# KiCad board STM32.kicad_pcb (continued)
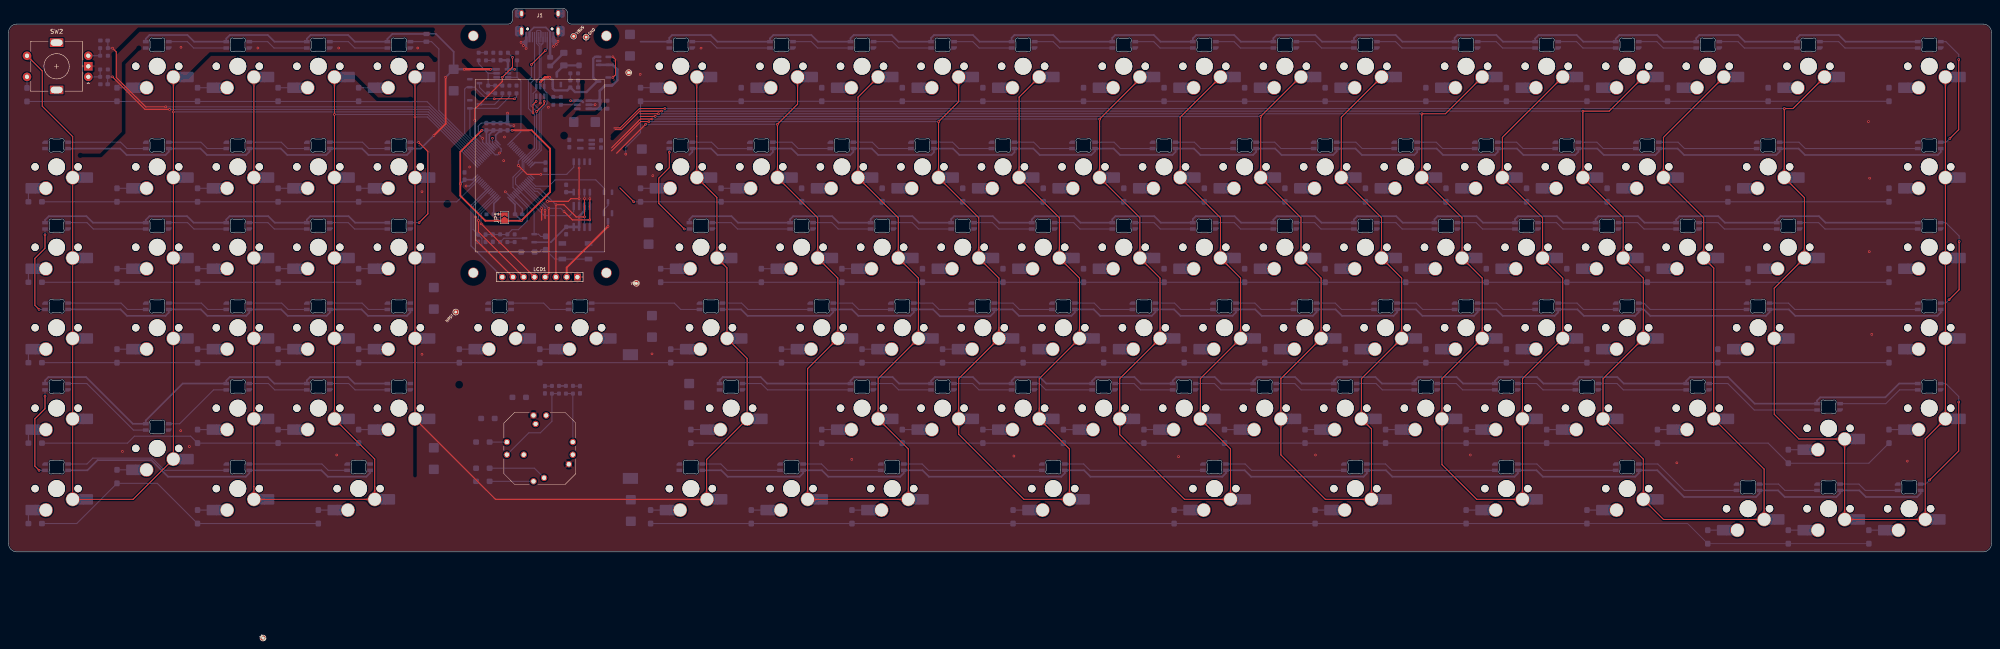
[diagram p0: board, top side]
## Placement (name value [footprint] x y rotation side) (continued)
R3  68k  [R_0603_1608Metric_Pad0.98x0.95mm_HandSolder]  119.72 74.29 90 bottom
R4  9.1k  [R_0603_1608Metric_Pad0.98x0.95mm_HandSolder]  140.75 106.85 0 bottom
R5  9.1k  [R_0603_1608Metric_Pad0.98x0.95mm_HandSolder]  130.65 106.81 90 bottom
R6  9.1k  [R_0603_1608Metric_Pad0.98x0.95mm_HandSolder]  128.85 106.81 270 bottom
R7  9.1k  [R_0603_1608Metric_Pad0.98x0.95mm_HandSolder]  130.2 38.39 90 bottom
R8  9.1k  [R_0603_1608Metric_Pad0.98x0.95mm_HandSolder]  128.54 38.39 270 bottom
R9  68k  [R_0603_1608Metric_Pad0.98x0.95mm_HandSolder]  133.8 110 0 bottom
R10  9.1k  [R_0603_1608Metric_Pad0.98x0.95mm_HandSolder]  131.85 38.4 90 bottom
R11  9.1k  [R_0603_1608Metric_Pad0.98x0.95mm_HandSolder]  133.51 38.4 90 bottom
R12  9.1k  [R_0603_1608Metric_Pad0.98x0.95mm_HandSolder]  22.6 114.25 0 bottom
R13  9.1k  [R_0603_1608Metric_Pad0.98x0.95mm_HandSolder]  22.6 112.5 180 bottom
R14  9.1k  [R_0603_1608Metric_Pad0.98x0.95mm_HandSolder]  22.6 117.5 0 bottom
R15  68k  [R_0603_1608Metric_Pad0.98x0.95mm_HandSolder]  133.8 111.65 180 bottom
R16  9.1k  [R_0603_1608Metric_Pad0.98x0.95mm_HandSolder]  22.6 119.3 0 bottom
R17  68k  [R_0603_1608Metric_Pad0.98x0.95mm_HandSolder]  133.8 113.32 0 bottom
R18  9.1k  [R_0603_1608Metric_Pad0.98x0.95mm_HandSolder]  118.13 117.3 90 bottom
R19  9.1k  [R_0603_1608Metric_Pad0.98x0.95mm_HandSolder]  120.3 117.3 90 bottom
R20  68k  [R_0603_1608Metric_Pad0.98x0.95mm_HandSolder]  111.21 117.3 90 bottom
R21  68k  [R_0603_1608Metric_Pad0.98x0.95mm_HandSolder]  112.94 117.3 90 bottom
R22  68k  [R_0603_1608Metric_Pad0.98x0.95mm_HandSolder]  114.67 117.3 90 bottom
R23  68k  [R_0603_1608Metric_Pad0.98x0.95mm_HandSolder]  116.81 109.51 270 bottom
R24  68k  [R_0603_1608Metric_Pad0.98x0.95mm_HandSolder]  115.13 109.51 270 bottom
R25  68k  [R_0603_1608Metric_Pad0.98x0.95mm_HandSolder]  113.46 109.51 270 bottom
R26  9.1k  [R_0603_1608Metric_Pad0.98x0.95mm_HandSolder]  118.48 109.51 90 bottom
R27  9.1k  [R_0603_1608Metric_Pad0.98x0.95mm_HandSolder]  120.16 109.51 90 bottom
R28  9.1k  [R_0805_2012Metric]  98.84 121.74 270 bottom
RESET1  DFU  [SW_SPST_SKQG_WithStem]  134.1 71.2 180 bottom
SW1  -  [RKJXT1F42001]  125.68 24.51 0 top
SW2  RotaryEncoder_Switch  [RotaryEncoder_Alps_EC11E-Switch_Vertical_H20mm_Centred]  11.38 115 180 top
TP1  VBUS  [TestPoint]  133.68 122.1 45 top
TP2  5V  [TestPoint]  146.7 113.5 0 top
TP3  3V3  [TestPoint]  60.2 -20.4 315 top
TP4  GND  [TestPoint]  136.62 121.9 45 top
TP5  NRST  [TestPoint]  105.8 56.8 225 top
TP6  VBAT  [TestPoint]  148.5 63.6 0 top
U1  AZC199-04S  [SOT-23-6]  125.77 109.05 90 bottom
U2  W25Q32JVSSIQ  [SOIC-8_5.23x5.23mm_P1.27mm]  135.6 88.8 270 bottom
U3  LMV321  [SOT-23-5]  140.72 116.29 0 bottom
U4  MB85RS64  [SOIC-8_3.9x4.9mm_P1.27mm]  135.6 79.42 270 bottom
U5  AP2127K-3.3  [SOT-23-5_HandSoldering]  136.6 96.55 180 bottom
U6  STM32G474RETx  [LQFP-64_10x10mm_P0.5mm]  117.2 90.2 45 bottom
U7  TPS2553DBVR-1  [SOT-23-6_Handsoldering]  135.9 105.9 180 bottom
U8  TPS2553DBVR-1  [SOT-23-6_Handsoldering]  116.8 113.34 180 bottom

## Library data of the parts
BT1 = -: Description: Single-cell battery
C1-C9 C11-C15 C23 = -: ki_fp_filters: C_*
C16 C17 = -: Description: Unpolarized capacitor, small symbol; ki_fp_filters: C_*
C18 C24-C32 = -: ki_fp_filters: CP_*
C19-C22 = -: Description: Unpolarized capacitor; ki_fp_filters: C_*
D1-D119 = -: Description: Diode; Sim.Pins: 1=K 2=A; ki_fp_filters: TO-???* *_Diode_* *SingleDiode* D_*
D120-D122 = -: Sim.Device: D; Sim.Pins: 1=K 2=A; ki_fp_filters: TO-???* *_Diode_* *SingleDiode* D_*
F1 = -: ki_fp_filters: *polyfuse* *PTC*
FB1 = -: ki_fp_filters: Inductor_* L_* *Ferrite*
J1 = -: Datasheet: https://www.usb.org/sites/default/files/documents/usb_type-c.zip; ki_fp_filters: USB*C*Receptacle*
JP1 = -: Description: Solder Jumper, 2-pole, open; ki_fp_filters: SolderJumper*Open*
LED1-LED113 = -: Description: Reverse mount adressable LED (WS2812 protocol); Field4: offset: 5.08; Field5: switch center
MX1-MX113 = -: Description: Push button switch, normally open, two pins, 45° tilted, Kailh CPG151101S11 for Cherry MX style switches
Q1 Q2 U1 = -: ki_fp_filters: SOT?23*
Q4 Q6 = -: Datasheet: https://www.onsemi.com/pub/Collateral/NDS7002A-D.PDF; ki_fp_filters: SOT?23*
Q5 = -: Datasheet: http://www.aosmd.com/pdfs/datasheet/AO3401A.pdf; Description: -4.0A Id, -30V Vds, P-Channel MOSFET, SOT-23; ki_fp_filters: SOT?23*
Q7 = -: Description: NPN bias resistor transistor, base/emitter/collector
R1-R6 R9 R15 R17-R28 = -: ki_fp_filters: R_*
R7 R8 R10-R14 R16 = -: Description: Resistor; ki_fp_filters: R_*
SW1 = -: Datasheet: http://www.alps.com/prod/info/E/HTML/MultiControl/Switch/RKJXT/RKJXT1F42001.html; Height: 17; Manufacturer_Name: ALPS Electric; Mouser Part Number: 688-RKJXT1F42001; Mouser Price/Stock: https://www.mouser.co.uk/ProductDetail/Alps-Alpine/RKJXT1F42001?qs=6EGMNY9ZYDTsBzSTrhiL0w%3D%3D
SW2 = -: Description: Rotary encoder, dual channel, incremental quadrate outputs, with switch; ki_fp_filters: RotaryEncoder*Switch*
TP1-TP6 = -: Description: test point; ki_fp_filters: Pin* Test*
U2 = -: Datasheet: https://datasheet.lcsc.com/szlcsc/1811101814_Winbond-Elec-W25Q32JVSSIQ_C82344.pdf; ki_fp_filters: SOIC*5.23x5.23mm*P1.27mm*
U3 = -: Datasheet: http://www.ti.com/lit/ds/symlink/lmv324.pdf; ki_fp_filters: SOT?23* *SC*70*
U4 = -: Datasheet: http://www.st.com/content/ccc/resource/technical/document/datasheet/9d/75/f0/3e/76/00/4c/0b/CD00103810.pdf/files/CD00103810.pdf/jcr:content/translations/en.CD00103810.pdf; ki_fp_filters: SOIC*3.9x4.9mm*P1.27mm*
U5 = -: Datasheet: https://www.diodes.com/assets/Datasheets/AP2127.pdf; ki_fp_filters: SOT?23?5*
U6 = -: Datasheet: https://www.st.com/resource/en/datasheet/stm32g474re.pdf; Description: STMicroelectronics Arm Cortex-M4 MCU, 512KB flash, 128KB RAM, 170 MHz, 1.71-3.6V, 52 GPIO, LQFP64; ki_fp_filters: LQFP*10x10mm*P0.5mm*
U7 U8 = -: ki_fp_filters: DBV0006A_N DBV0006A_M DBV0006A_L

## Footprints (pads in the part's own frame, mm; a bottom-side part is the same pattern mirrored in y, then rotated)
BatteryHolder_Keystone_1060_1x2032
  rect 2.6x3.6 smd: 1(-14.65,0) 2(14.65,0)
C_0603_1608Metric_Pad1.08x0.95mm_HandSolder
  rrect 1.075x0.95 smd: 1(-0.863,0) 2(0.863,0)
CP_EIA-6032-15_Kemet-U_Pad2.25x2.35mm_HandSolder
  rrect 2.25x2.35 smd: 1(-2.55,0) 2(2.55,0)
D_SOD-123
  rrect 1.4x1.3 smd: 1(-1.6,0) 2(1.6,0)
Fuse_0805_2012Metric_Pad1.15x1.40mm_HandSolder
  rrect 1.15x1.4 smd: 1(-1.025,0) 2(1.025,0)
Fuse_1206_3216Metric_Pad1.42x1.75mm_HandSolder
  rrect 1.425x1.75 smd: 1(-1.488,0) 2(1.488,0)
HRO-TYPE-C-31-M-12-HandSoldering-NoSBU
  round 0.65 hole 0.65 unplated: (-2.89,2.25) (2.89,2.25)
  rect 0.57x2.45 smd far side: A1(3.225,4.195) A4(2.45,4.195) B1(-3.225,4.195) B4(-2.45,4.195)
  rect 0.3x2.45 smd far side: A5(1.25,4.195) A6(0.25,4.195) A7(-0.25,4.195) B5(-1.75,4.195) B6(-0.75,4.195) B7(0.75,4.195) ~(-1.25,4.195) ~(1.75,4.195)
  rrect 2.1x2.5 smd far side: S1(-4.85,2.78) S1(4.85,2.78)
  rrect 2.1x2 smd far side: S1(-4.85,-1.4) S1(4.85,-1.4)
  oval 1x2.1 hole 0.6x1.7: S1(-4.32,2.78) S1(4.32,2.78)
  oval 1x1.6 hole 0.6x1.2: S1(-4.32,-1.4) S1(4.32,-1.4)
LCD-ST7789-2in
  round 2.5 hole 2.2 unplated: (-15.74,28.06) (-15.74,-28.06) (15.74,28.06) (15.74,-28.06)
  rect 1.6x1.6 hole 1: 1(-8.89,29.06)
  round 1.6 hole 1: 2(-6.35,29.06) 3(-3.81,29.06) 4(-1.27,29.06) 5(1.27,29.06) 6(3.81,29.06) 7(6.35,29.06) 8(8.89,29.06)
LED_MX_6028R
  rrect 1.35x0.82 smd: 1(2.725,0.75) 2(2.725,-0.75) 3(-2.725,0.75) 4(-2.725,-0.75)
LED_MX_6028R-ROT
  rrect 1.35x0.82 smd: 1(-2.725,-0.75) 2(-2.725,0.75) 3(2.725,-0.75) 4(2.725,0.75)
LQFP-64_10x10mm_P0.5mm
  rrect 1.55x0.3 smd: 1(-5.675,3.75) 2(-5.675,3.25) 3(-5.675,2.75) 4(-5.675,2.25) 5(-5.675,1.75) 6(-5.675,1.25) 7(-5.675,0.75) 8(-5.675,0.25) 9(-5.675,-0.25) 10(-5.675,-0.75) 11(-5.675,-1.25) 12(-5.675,-1.75) 13(-5.675,-2.25) 14(-5.675,-2.75) 15(-5.675,-3.25) 16(-5.675,-3.75) 33(5.675,-3.75) 34(5.675,-3.25) 35(5.675,-2.75) 36(5.675,-2.25) 37(5.675,-1.75) 38(5.675,-1.25) 39(5.675,-0.75) 40(5.675,-0.25) 41(5.675,0.25) 42(5.675,0.75) 43(5.675,1.25) 44(5.675,1.75) 45(5.675,2.25) 46(5.675,2.75) 47(5.675,3.25) 48(5.675,3.75)
  rrect 0.3x1.55 smd: 17(-3.75,-5.675) 18(-3.25,-5.675) 19(-2.75,-5.675) 20(-2.25,-5.675) 21(-1.75,-5.675) 22(-1.25,-5.675) 23(-0.75,-5.675) 24(-0.25,-5.675) 25(0.25,-5.675) 26(0.75,-5.675) 27(1.25,-5.675) 28(1.75,-5.675) 29(2.25,-5.675) 30(2.75,-5.675) 31(3.25,-5.675) 32(3.75,-5.675) 49(3.75,5.675) 50(3.25,5.675) 51(2.75,5.675) 52(2.25,5.675) 53(1.75,5.675) 54(1.25,5.675) 55(0.75,5.675) 56(0.25,5.675) 57(-0.25,5.675) 58(-0.75,5.675) 59(-1.25,5.675) 60(-1.75,5.675) 61(-2.25,5.675) 62(-2.75,5.675) 63(-3.25,5.675) 64(-3.75,5.675)
R_0603_1608Metric_Pad0.98x0.95mm_HandSolder
  rrect 0.975x0.95 smd: 1(-0.912,0) 2(0.912,0)
R_0805_2012Metric
  rrect 1.025x1.4 smd: 1(-0.912,0) 2(0.912,0)
RKJXT1F42001
  round 1.5 hole 1: 1(-1.5,-7.8) 2(1,-6.98) 3(6.86,-3.75) 4(7.8,-1.5) 5(7.8,1.5) 6(1.5,7.8) 7(-1,5.78) 8(-1.5,7.8) 9(-7.8,1.5) 10(-7.8,-1.5) 11(-3.8,-1.5)
RotaryEncoder_Alps_EC11E-Switch_Vertical_H20mm_Centred
  round 2 hole 1: A(-7.5,2.5) B(-7.5,-2.5) S1(7,-2.5) S2(7,2.5)
  rect 2x2 hole 1: C(-7.5,0)
  rect 3.2x2 hole 2.8x1.5: MP(0,5.6) MP(0,-5.6)
SOIC-8_3.9x4.9mm_P1.27mm
  rrect 1.95x0.6 smd: 1(-2.475,1.905) 2(-2.475,0.635) 3(-2.475,-0.635) 4(-2.475,-1.905) 5(2.475,-1.905) 6(2.475,-0.635) 7(2.475,0.635) 8(2.475,1.905)
SOIC-8_5.23x5.23mm_P1.27mm
  rrect 1.6x0.6 smd: 1(-3.6,1.905) 2(-3.6,0.635) 3(-3.6,-0.635) 4(-3.6,-1.905) 5(3.6,-1.905) 6(3.6,-0.635) 7(3.6,0.635) 8(3.6,1.905)
SolderJumper-2_P1.3mm_Open_TrianglePad1.0x1.5mm
  custom 1.5x1.5 smd: 1(-0.725,0)
  custom 1.15x1.5 smd: 2(0.725,0)
SOT-23
  rrect 1.475x0.6 smd: 1(-0.938,0.95) 2(-0.938,-0.95) 3(0.938,0)
SOT-23-3
  rrect 1.325x0.6 smd: 1(-1.137,0.95) 2(-1.137,-0.95) 3(1.137,0)
SOT-23-5
  rrect 1.325x0.6 smd: 1(-1.137,0.95) 2(-1.137,0) 3(-1.137,-0.95) 4(1.137,-0.95) 5(1.137,0.95)
SOT-23-5_HandSoldering
  rrect 1.56x0.65 smd: 1(-1.35,0.95) 2(-1.35,0) 3(-1.35,-0.95) 4(1.35,-0.95) 5(1.35,0.95)
SOT-23-6
  rrect 1.325x0.6 smd: 1(-1.137,0.95) 2(-1.137,0) 3(-1.137,-0.95) 4(1.137,-0.95) 5(1.137,0) 6(1.137,0.95)
SOT-23-6_Handsoldering
  rrect 1.56x0.65 smd: 1(-1.35,0.95) 2(-1.35,0) 3(-1.35,-0.95) 4(1.35,-0.95) 5(1.35,0) 6(1.35,0.95)
SW_MX_HS_1.5u
  round 1.75 hole 1.75 unplated: (-5.08,0) (5.08,0)
  round 3.988 hole 3.988 unplated: (0,0)
  round 3.3 hole 3: 1(3.81,2.54) 2(-2.54,5.08)
  rect 1.65x2.5 smd: 1(5.635,2.54) 2(-4.34,5.08)
  rrect 2.55x2.5 smd: 1(7.36,2.54) 2(-6.09,5.08)
SW_MX_HS_1.25u
  round 1.75 hole 1.75 unplated: (-5.08,0) (5.08,0)
  round 3.988 hole 3.988 unplated: (0,0)
  round 3.3 hole 3: 1(3.81,2.54) 2(-2.54,5.08)
  rect 1.65x2.5 smd: 1(5.635,2.54) 2(-4.34,5.08)
  rrect 2.55x2.5 smd: 1(7.36,2.54) 2(-6.09,5.08)
SW_MX_HS_1.75u
  round 1.75 hole 1.75 unplated: (-5.08,0) (5.08,0)
  round 3.988 hole 3.988 unplated: (0,0)
  round 3.3 hole 3: 1(3.81,2.54) 2(-2.54,5.08)
  rect 1.65x2.5 smd: 1(5.635,2.54) 2(-4.34,5.08)
  rrect 2.55x2.5 smd: 1(7.36,2.54) 2(-6.09,5.08)
SW_MX_HS_1u
  round 1.75 hole 1.75 unplated: (-5.08,0) (5.08,0)
  round 3.988 hole 3.988 unplated: (0,0)
  round 3.3 hole 3: 1(3.81,2.54) 2(-2.54,5.08)
  rect 1.65x2.5 smd: 1(5.635,2.54) 2(-4.34,5.08)
  rrect 2.55x2.5 smd: 1(7.36,2.54) 2(-6.09,5.08)
SW_MX_HS_2.25u
  round 1.75 hole 1.75 unplated: (-5.08,0) (5.08,0)
  round 3.988 hole 3.988 unplated: (0,0)
  round 3.3 hole 3: 1(3.81,2.54) 2(-2.54,5.08)
  rect 1.65x2.5 smd: 1(5.635,2.54) 2(-4.34,5.08)
  rrect 2.55x2.5 smd: 1(7.36,2.54) 2(-6.09,5.08)
SW_MX_HS_2.75u
  round 1.75 hole 1.75 unplated: (-5.08,0) (5.08,0)
  round 3.988 hole 3.988 unplated: (0,0)
  round 3.3 hole 3: 1(3.81,2.54) 2(-2.54,5.08)
  rect 1.65x2.5 smd: 1(5.635,2.54) 2(-4.34,5.08)
  rrect 2.55x2.5 smd: 1(7.36,2.54) 2(-6.09,5.08)
SW_MX_HS_2u
  round 1.75 hole 1.75 unplated: (-5.08,0) (5.08,0)
  round 3.988 hole 3.988 unplated: (0,0)
  round 3.3 hole 3: 1(3.81,2.54) 2(-2.54,5.08)
  rect 1.65x2.5 smd: 1(5.635,2.54) 2(-4.34,5.08)
  rrect 2.55x2.5 smd: 1(7.36,2.54) 2(-6.09,5.08)
SW_MX_HS_2u_Vertical
  round 1.75 hole 1.75 unplated: (-5.08,0) (5.08,0)
  round 3.988 hole 3.988 unplated: (0,0)
  round 3.3 hole 3: 1(3.81,2.54) 2(-2.54,5.08)
  rect 1.65x2.5 smd: 1(5.635,2.54) 2(-4.34,5.08)
  rrect 2.55x2.5 smd: 1(7.36,2.54) 2(-6.09,5.08)
SW_SPST_SKQG_WithStem
  rect 1.8x1.1 smd: 1(-3.1,1.85) 1(3.1,1.85) 2(-3.1,-1.85) 2(3.1,-1.85)
TestPoint
  round 1.2 hole 0.6: 1(0,0)

## Nets
+3V3: C1.1 C2.1 C3.1 C4.1 C5.1 C6.1 C7.1 C11.1 C12.1 C17.2 JP1.1 Q3.2 R7.2 R10.2 R12.2 R14.2 TP3.1 U2.8 U4.3 U4.7 U4.8 U5.5 U6.16 U6.28 U6.29 U6.32 U6.48 U6.64
/VBUS_BLOCKED: Q1.2 Q2.3 R9.1 U1.5 U3.3
/VBUS_FERRITE: F1.2 FB1.1
/VBUS_FUSED: D122.1 F1.1 Q1.3
GND: BT1.2 C1.2 C2.2 C3.2 C4.2 C5.2 C6.2 C7.2 C8.2 C9.1 C11.2 C12.2 C13.1 C14.1 C15.2 C16.1 C17.1 C18.2 C19.1 C20.1 C21.1 C22.1 C23.2 C24.2 C25.2 C26.2 C27.2 C28.2 C29.2 C30.2 C31.2 C32.2 D122.2 J1.A1 J1.B1 J1.S1 LCD1.1 LED1.4 LED2.4 LED3.4 LED4.4 LED5.4 LED6.4 LED7.4 LED8.4 LED9.4 LED10.4 LED11.4 LED12.4 LED13.4 LED14.4 LED15.4 LED16.4 LED17.4 LED18.4 LED19.4 LED20.4 LED21.4 LED22.4 LED23.4 LED24.4 LED25.4 LED26.4 LED27.4 LED28.4 LED29.4 LED30.4 LED31.4 LED32.4 LED33.4 LED34.4 LED35.4 LED36.4 LED37.4 LED38.4 LED39.4 LED40.4 LED41.4 LED42.4 LED43.4 LED44.4 LED45.4 LED46.4 LED47.4 LED48.4 LED49.4 LED50.4 LED51.4 LED52.4 LED53.4 LED54.4 LED55.4 LED56.4 LED57.4 LED58.4 LED59.4 LED60.4 LED61.4 LED62.4 LED63.4 LED64.4 LED65.4 LED66.4 LED67.4 LED68.4 LED69.4 LED70.4 LED71.4 LED72.4 LED73.4 LED74.4 LED75.4 LED76.4 LED77.4 LED78.4 LED79.4 LED80.4 LED81.4 LED82.4 LED83.4 LED84.4 LED85.4 LED86.4 LED87.4 LED88.4 LED89.4 LED90.4 LED91.4 LED92.4 LED93.4 LED94.4 LED95.4 LED96.4 LED97.4 LED98.4 LED99.4 LED100.4 LED101.4 LED102.4 LED103.4 LED104.4 LED105.4 LED106.4 LED107.4 LED108.4 LED109.4 LED110.4 LED111.4 LED112.4 LED113.4 Q1.1 Q4.2 Q6.2 Q7.2 R3.2 R6.2 R17.2 R19.2 R22.2 R26.2 R27.2 RESET1.1 SW1.3 SW1.8 SW2.C TP4.1 U1.2 U2.4 U3.2 U4.4 U5.2 U6.15 U6.27 U6.31 U6.47 U6.63 U7.2 U8.2
VBAT: BT1.1 C8.1 JP1.2 TP6.1 U6.1
VBUS: C15.1 Q2.2 R4.1 U3.1 U3.5 U7.1 U7.3
VDD: C16.2 C18.1 C23.1 Q5.2 R18.1 TP2.1 U5.1 U5.3 U7.6 U8.1
BOARD_NFAULT: R4.2 U6.30 U7.4
BOOT0: C13.2 C14.2 R1.2 R2.2 U6.61
BOOT0_CHRG: D120.2 Q3.1 U6.60
CC1: J1.B5 U1.3 U6.43 U6.59
CC2: J1.A5 U1.1 U6.44 U6.57
COL0: MX1.1 MX20.1 MX21.1 MX40.1 MX41.1 MX60.1 MX61.1 MX81.1 MX82.1 MX100.1 SW2.S1 U6.19
COL1: MX2.1 MX3.1 MX22.1 MX23.1 MX42.1 MX43.1 MX62.1 MX63.1 MX83.1 MX84.1 MX101.1 MX102.1 U6.18
COL2: MX4.1 MX5.1 MX24.1 MX25.1 MX44.1 MX45.1 MX64.1 MX67.1 MX85.1 MX86.1 MX103.1 U6.17
COL3: MX6.1 MX7.1 MX26.1 MX27.1 MX46.1 MX47.1 MX68.1 MX69.1 MX87.1 MX104.1 MX105.1 U6.40
COL4: MX8.1 MX9.1 MX28.1 MX29.1 MX48.1 MX49.1 MX70.1 MX71.1 MX88.1 MX89.1 MX106.1 U6.39
COL5: MX10.1 MX11.1 MX30.1 MX31.1 MX50.1 MX51.1 MX72.1 MX73.1 MX90.1 MX91.1 MX107.1 U6.38
COL6: MX12.1 MX13.1 MX32.1 MX33.1 MX52.1 MX53.1 MX74.1 MX75.1 MX92.1 MX93.1 MX108.1 U6.37
COL7: MX14.1 MX15.1 MX34.1 MX35.1 MX54.1 MX55.1 MX76.1 MX77.1 MX94.1 MX95.1 MX109.1 U6.36
COL8: MX16.1 MX17.1 MX36.1 MX37.1 MX56.1 MX57.1 MX78.1 MX96.1 MX97.1 MX110.1 MX111.1 U6.35
COL9: MX18.1 MX19.1 MX38.1 MX39.1 MX58.1 MX59.1 MX79.1 MX80.1 MX98.1 MX99.1 MX112.1 MX113.1 U6.34
COL10: SW1.7 U6.9
CURR_1500mA_OK: Q4.1 R26.1 U6.25
CURR_3000mA_OK: Q6.1 R27.1 U6.24
CURR_LIM: R20.1 R23.1 R24.1 R25.1 U8.5
D+: J1.A6 J1.B6 U1.6 U6.46
D-: J1.A7 J1.B7 U1.4 U6.45
EEP_CS: U4.1 U6.58
ENC1: D119.1 SW2.S2
ENC1_A: C19.2 R8.1 U6.55
ENC1_B: C20.2 R11.2 U6.56
ENC2_A: C21.2 R13.1 U6.20
ENC2_B: C22.2 R16.2 U6.21
FLASH_CS: U2.1 U6.42
LCD_BL_PWM: LCD1.8 U6.8
LCD_CS: LCD1.7 U6.4
LCD_DC: LCD1.6 U6.3
LCD_EN: Q7.1 U6.51
LCD_PWR: LCD1.2 Q5.3
LCD_RST: LCD1.5 U6.2
LED_EN: R19.1 U6.33 U8.3
LED_MTRX_IN: LED4.3 R28.2 U6.23
LED_NFAULT: R18.2 U6.26 U8.4
LED_PWR: C24.1 C25.1 C26.1 C27.1 C28.1 C29.1 C30.1 C31.1 C32.1 LED1.1 LED2.1 LED3.1 LED4.1 LED5.1 LED6.1 LED7.1 LED8.1 LED9.1 LED10.1 LED11.1 LED12.1 LED13.1 LED14.1 LED15.1 LED16.1 LED17.1 LED18.1 LED19.1 LED20.1 LED21.1 LED22.1 LED23.1 LED24.1 LED25.1 LED26.1 LED27.1 LED28.1 LED29.1 LED30.1 LED31.1 LED32.1 LED33.1 LED34.1 LED35.1 LED36.1 LED37.1 LED38.1 LED39.1 LED40.1 LED41.1 LED42.1 LED43.1 LED44.1 LED45.1 LED46.1 LED47.1 LED48.1 LED49.1 LED50.1 LED51.1 LED52.1 LED53.1 LED54.1 LED55.1 LED56.1 LED57.1 LED58.1 LED59.1 LED60.1 LED61.1 LED62.1 LED63.1 LED64.1 LED65.1 LED66.1 LED67.1 LED68.1 LED69.1 LED70.1 LED71.1 LED72.1 LED73.1 LED74.1 LED75.1 LED76.1 LED77.1 LED78.1 LED79.1 LED80.1 LED81.1 LED82.1 LED83.1 LED84.1 LED85.1 LED86.1 LED87.1 LED88.1 LED89.1 LED90.1 LED91.1 LED92.1 LED93.1 LED94.1 LED95.1 LED96.1 LED97.1 LED98.1 LED99.1 LED100.1 LED101.1 LED102.1 LED103.1 LED104.1 LED105.1 LED106.1 LED107.1 LED108.1 LED109.1 LED110.1 LED111.1 LED112.1 LED113.1 R28.1 U8.6
MISO: U2.2 U4.2 U6.53
MOSI: LCD1.4 U2.5 U4.5 U6.54
NRST: C9.2 D121.2 TP5.1 U6.7
PLUG_DETECT: R9.2 R15.1
RKJ-A: D118.2 SW1.1
RKJ-B: D116.2 SW1.4
RKJ-C: D114.2 SW1.6
RKJ-D: D115.2 SW1.9
RKJ-P: D117.2 SW1.2
ROT1_A: R7.1 R8.2 SW1.10
ROT1_B: R10.1 R11.1 SW1.5
ROT2_A: R12.1 R13.2 SW2.A
ROT2_B: R14.1 R16.1 SW2.B
ROW0: D1.1 D2.2 D3.1 D4.2 D5.1 D6.2 D7.1 D8.2 D9.1 D10.2 D11.1 D12.2 D13.1 D14.2 D15.1 D16.2 D17.1 D18.2 D19.1 D119.2 U6.22
ROW1: D20.2 D21.1 D22.2 D23.1 D24.2 D25.1 D26.2 D27.1 D28.2 D29.1 D30.2 D31.1 D32.2 D33.1 D34.2 D35.1 D36.2 D37.1 D38.2 D39.1 D114.1 U6.14
ROW2: D40.2 D41.1 D42.2 D43.1 D44.2 D45.1 D46.2 D47.1 D48.2 D49.1 D50.2 D51.1 D52.2 D53.1 D54.2 D55.1 D56.2 D57.1 D58.2 D59.1 D116.1 U6.13
ROW3: D60.2 D61.1 D62.2 D63.1 D64.2 D65.2 D66.2 D67.1 D68.2 D69.1 D70.2 D71.1 D72.2 D73.1 D74.2 D75.1 D76.2 D77.1 D78.2 D79.2 D80.1 D115.1 U6.12
ROW4: D81.2 D83.2 D84.1 D85.2 D86.1 D87.1 D88.2 D89.1 D90.2 D91.1 D92.2 D93.1 D94.2 D95.1 D96.2 D97.1 D98.1 D99.2 D117.1 U6.11
ROW5: D82.1 D100.2 D101.2 D102.2 D103.1 D104.2 D105.1 D106.1 D107.1 D108.1 D109.1 D110.2 D111.1 D112.2 D113.1 D118.1 U6.10
SCK: LCD1.3 U2.6 U4.6 U6.52
SWCLK: U6.50
SWDIO: U6.49
V_USB: FB1.2 J1.A4 J1.B4 TP1.1
Net-(D1-A): D1.2 MX1.2
Net-(D2-K): D2.1 MX2.2
Net-(D3-A): D3.2 MX3.2
Net-(D4-K): D4.1 MX4.2
Net-(D5-A): D5.2 MX5.2
Net-(D6-K): D6.1 MX6.2
Net-(D7-A): D7.2 MX7.2
Net-(D8-K): D8.1 MX8.2
Net-(D9-A): D9.2 MX9.2
Net-(D10-K): D10.1 MX10.2
Net-(D11-A): D11.2 MX11.2
Net-(D12-K): D12.1 MX12.2
Net-(D13-A): D13.2 MX13.2
Net-(D14-K): D14.1 MX14.2
Net-(D15-A): D15.2 MX15.2
Net-(D16-K): D16.1 MX16.2
Net-(D17-A): D17.2 MX17.2
Net-(D18-K): D18.1 MX18.2
Net-(D19-A): D19.2 MX19.2
Net-(D20-K): D20.1 MX20.2
Net-(D21-A): D21.2 MX21.2
Net-(D22-K): D22.1 MX22.2
Net-(D23-A): D23.2 MX23.2
Net-(D24-K): D24.1 MX24.2
Net-(D25-A): D25.2 MX25.2
Net-(D26-K): D26.1 MX26.2
Net-(D27-A): D27.2 MX27.2
Net-(D28-K): D28.1 MX28.2
Net-(D29-A): D29.2 MX29.2
Net-(D30-K): D30.1 MX30.2
Net-(D31-A): D31.2 MX31.2
Net-(D32-K): D32.1 MX32.2
Net-(D33-A): D33.2 MX33.2
Net-(D34-K): D34.1 MX34.2
Net-(D35-A): D35.2 MX35.2
Net-(D36-K): D36.1 MX36.2
Net-(D37-A): D37.2 MX37.2
Net-(D38-K): D38.1 MX38.2
Net-(D39-A): D39.2 MX39.2
Net-(D40-K): D40.1 MX40.2
Net-(D41-A): D41.2 MX41.2
Net-(D42-K): D42.1 MX42.2
Net-(D43-A): D43.2 MX43.2
Net-(D44-K): D44.1 MX44.2
Net-(D45-A): D45.2 MX45.2
Net-(D46-K): D46.1 MX46.2
Net-(D47-A): D47.2 MX47.2
Net-(D48-K): D48.1 MX48.2
Net-(D49-A): D49.2 MX49.2
Net-(D50-K): D50.1 MX50.2
Net-(D51-A): D51.2 MX51.2
Net-(D52-K): D52.1 MX52.2
Net-(D53-A): D53.2 MX53.2
Net-(D54-K): D54.1 MX54.2
Net-(D55-A): D55.2 MX55.2
Net-(D56-K): D56.1 MX56.2
Net-(D57-A): D57.2 MX57.2
Net-(D58-K): D58.1 MX58.2
Net-(D59-A): D59.2 MX59.2
Net-(D60-K): D60.1 MX60.2
Net-(D61-A): D61.2 MX61.2
Net-(D62-K): D62.1 MX62.2
Net-(D63-A): D63.2 MX63.2
Net-(D64-K): D64.1 MX64.2
Net-(D65-K): D65.1 MX65.2
Net-(D66-K): D66.1 MX66.2
Net-(D67-A): D67.2 MX67.2
Net-(D68-K): D68.1 MX68.2
Net-(D69-A): D69.2 MX69.2
Net-(D70-K): D70.1 MX70.2
Net-(D71-A): D71.2 MX71.2
Net-(D72-K): D72.1 MX72.2
Net-(D73-A): D73.2 MX73.2
Net-(D74-K): D74.1 MX74.2
Net-(D75-A): D75.2 MX75.2
Net-(D76-K): D76.1 MX76.2
Net-(D77-A): D77.2 MX77.2
Net-(D78-K): D78.1 MX78.2
Net-(D79-K): D79.1 MX79.2
Net-(D80-A): D80.2 MX80.2
Net-(D81-K): D81.1 MX81.2
Net-(D82-A): D82.2 MX82.2
Net-(D83-K): D83.1 MX83.2
Net-(D84-A): D84.2 MX84.2
Net-(D85-K): D85.1 MX85.2
Net-(D86-A): D86.2 MX86.2
Net-(D87-A): D87.2 MX87.2
Net-(D88-K): D88.1 MX88.2
Net-(D89-A): D89.2 MX89.2
Net-(D90-K): D90.1 MX90.2
Net-(D91-A): D91.2 MX91.2
Net-(D92-K): D92.1 MX92.2
Net-(D93-A): D93.2 MX93.2
Net-(D94-K): D94.1 MX94.2
Net-(D95-A): D95.2 MX95.2
Net-(D96-K): D96.1 MX96.2
Net-(D97-A): D97.2 MX97.2
Net-(D98-A): D98.2 MX98.2
Net-(D99-K): D99.1 MX99.2
Net-(D100-K): D100.1 MX100.2
Net-(D101-K): D101.1 MX101.2
Net-(D102-K): D102.1 MX102.2
Net-(D103-A): D103.2 MX103.2
Net-(D104-K): D104.1 MX104.2
Net-(D105-A): D105.2 MX105.2
Net-(D106-A): D106.2 MX106.2
Net-(D107-A): D107.2 MX107.2
Net-(D108-A): D108.2 MX108.2
Net-(D109-A): D109.2 MX109.2
Net-(D110-K): D110.1 MX110.2
Net-(D111-A): D111.2 MX111.2
Net-(D112-K): D112.1 MX112.2
Net-(D113-A): D113.2 MX113.2
Net-(D120-K): D120.1 D121.1 RESET1.2
Net-(LED1-DIN): LED1.3 LED2.2
Net-(LED1-DOUT): LED1.2 LED20.3
Net-(LED2-DIN): LED2.3 LED3.2
Net-(LED3-DIN): LED3.3 LED4.2
Net-(LED5-DIN): LED5.3 LED6.2
Net-(LED6-DIN): LED6.3 LED7.2
Net-(LED7-DIN): LED7.3 LED8.2
Net-(LED8-DIN): LED8.3 LED9.2
Net-(LED10-DIN): LED10.3 LED11.2
Net-(LED10-DOUT): LED9.3 LED10.2
Net-(LED11-DIN): LED11.3 LED12.2
Net-(LED12-DIN): LED12.3 LED13.2
Net-(LED13-DIN): LED13.3 LED14.2
Net-(LED14-DIN): LED14.3 LED15.2
Net-(LED15-DIN): LED15.3 LED16.2
Net-(LED16-DIN): LED16.3 LED17.2
Net-(LED17-DIN): LED17.3 LED18.2
Net-(LED18-DIN): LED18.3 LED19.2
Net-(LED19-DIN): LED19.3 LED39.2
Net-(LED20-DOUT): LED20.2 LED21.3
Net-(LED21-DOUT): LED21.2 LED22.3
Net-(LED22-DOUT): LED22.2 LED23.3
Net-(LED23-DOUT): LED23.2 LED24.3
Net-(LED24-DOUT): LED24.2 LED44.3
Net-(LED25-DIN): LED25.3 LED45.2
Net-(LED25-DOUT): LED25.2 LED26.3
Net-(LED26-DOUT): LED26.2 LED27.3
Net-(LED27-DOUT): LED27.2 LED28.3
Net-(LED28-DOUT): LED28.2 LED29.3
Net-(LED29-DOUT): LED29.2 LED30.3
Net-(LED30-DOUT): LED30.2 LED31.3
Net-(LED31-DOUT): LED31.2 LED32.3
Net-(LED32-DOUT): LED32.2 LED33.3
Net-(LED33-DOUT): LED33.2 LED34.3
Net-(LED34-DOUT): LED34.2 LED35.3
Net-(LED35-DOUT): LED35.2 LED36.3
Net-(LED36-DOUT): LED36.2 LED37.3
Net-(LED37-DOUT): LED37.2 LED38.3
Net-(LED38-DOUT): LED38.2 LED39.3
Net-(LED40-DIN): LED40.3 LED41.2
Net-(LED40-DOUT): LED40.2 LED60.3
Net-(LED41-DIN): LED41.3 LED42.2
Net-(LED42-DIN): LED42.3 LED43.2
Net-(LED43-DIN): LED43.3 LED44.2
Net-(LED45-DIN): LED45.3 LED46.2
Net-(LED46-DIN): LED46.3 LED47.2
Net-(LED47-DIN): LED47.3 LED48.2
Net-(LED48-DIN): LED48.3 LED49.2
Net-(LED49-DIN): LED49.3 LED50.2
Net-(LED50-DIN): LED50.3 LED51.2
Net-(LED51-DIN): LED51.3 LED52.2
Net-(LED52-DIN): LED52.3 LED53.2
Net-(LED53-DIN): LED53.3 LED54.2
Net-(LED54-DIN): LED54.3 LED55.2
Net-(LED55-DIN): LED55.3 LED56.2
Net-(LED56-DIN): LED56.3 LED57.2
Net-(LED57-DIN): LED57.3 LED58.2
Net-(LED58-DIN): LED58.3 LED59.2
Net-(LED59-DIN): LED59.3 LED80.2
Net-(LED60-DOUT): LED60.2 LED61.3
Net-(LED61-DOUT): LED61.2 LED62.3
Net-(LED62-DOUT): LED62.2 LED63.3
Net-(LED63-DOUT): LED63.2 LED64.3
Net-(LED64-DOUT): LED64.2 LED85.3
Net-(LED65-DIN): LED65.3 LED86.2
Net-(LED65-DOUT): LED65.2 LED66.3
Net-(LED66-DOUT): LED66.2 LED67.3
Net-(LED67-DOUT): LED67.2 LED68.3
Net-(LED69-DOUT): LED69.2 LED70.3
Net-(LED70-DOUT): LED70.2 LED71.3
Net-(LED71-DOUT): LED71.2 LED72.3
Net-(LED72-DOUT): LED72.2 LED73.3
Net-(LED73-DOUT): LED73.2 LED74.3
Net-(LED74-DOUT): LED74.2 LED75.3
Net-(LED75-DOUT): LED75.2 LED76.3
Net-(LED76-DOUT): LED76.2 LED77.3
Net-(LED77-DOUT): LED77.2 LED78.3
Net-(LED78-DOUT): LED78.2 LED79.3
Net-(LED79-DOUT): LED79.2 LED80.3
Net-(LED81-DIN): LED81.3 LED82.2
Net-(LED82-DIN): LED82.3 LED83.2
Net-(LED83-DIN): LED83.3 LED84.2
Net-(LED84-DIN): LED84.3 LED85.2
Net-(LED86-DIN): LED86.3 LED87.2
Net-(LED87-DIN): LED87.3 LED88.2
Net-(LED88-DIN): LED88.3 LED89.2
Net-(LED89-DIN): LED89.3 LED90.2
Net-(LED90-DIN): LED90.3 LED91.2
Net-(LED91-DIN): LED91.3 LED92.2
Net-(LED92-DIN): LED92.3 LED93.2
Net-(LED93-DIN): LED93.3 LED94.2
Net-(LED94-DIN): LED94.3 LED95.2
Net-(LED95-DIN): LED95.3 LED96.2
Net-(LED96-DIN): LED96.3 LED97.2
Net-(LED97-DIN): LED97.3 LED99.2
Net-(LED98-DOUT): LED98.2 LED99.3
Net-(LED100-DIN): LED81.2 LED100.3
Net-(LED100-DOUT): LED100.2 LED101.3
Net-(LED101-DOUT): LED101.2 LED102.3
Net-(LED102-DOUT): LED102.2 LED103.3
Net-(LED103-DOUT): LED103.2 LED104.3
Net-(LED104-DOUT): LED104.2 LED105.3
Net-(LED105-DOUT): LED105.2 LED106.3
Net-(LED106-DOUT): LED106.2 LED107.3
Net-(LED107-DOUT): LED107.2 LED108.3
Net-(LED108-DOUT): LED108.2 LED109.3
Net-(LED109-DOUT): LED109.2 LED110.3
Net-(LED110-DOUT): LED110.2 LED111.3
Net-(LED111-DOUT): LED111.2 LED112.3
Net-(LED112-DOUT): LED112.2 LED113.3
Net-(LED113-DOUT): LED98.3 LED113.2
Net-(Q2-G): Q2.1 U3.4
Net-(Q3-C): Q3.3 R1.1
Net-(Q4-D): Q4.3 R23.2
Net-(Q5-G): Q5.1 Q7.3
Net-(Q6-D): Q6.3 R24.2 R25.2
Net-(R2-Pad1): R2.1 R3.1
Net-(R5-Pad2): R5.2 R6.1
Net-(R15-Pad2): R15.2 R17.1
Net-(R20-Pad2): R20.2 R21.2
Net-(R21-Pad1): R21.1 R22.1
Net-(U7-ILIM): R5.1 U7.5

Pads without a net: J1 ~; LED5 2; LED68 2; LED69 3; MX65 1; MX66 1; SW1 11; SW2 MP; U2 3 7; U5 4; U6 5 6 41 62

## Via types
v1: diameter 0.6, hole 0.3, Top to Bottom, 125 vias

## Routing (per net, layer and track width the routed paths; a pad name or vN(x,y) marks a point on that pad's centre or on a via; arc(x,y) is an arc through that point)
+3V3: length 121.3
  Top w0.4: v1(119.13,99.85) 123.75,99.85 128.1,95.5 128.1,85.23 v1(121.3,78.43) 112.77,78.43 106.88,84.32 v1(106.88,87.14) 106.88,94.75 v1(111.96,99.84)
  Bottom w0.4: C4.1 C1.1 ; C4.1 113.04,96.84 U6.28 ; C4.1 v1(111.96,99.84) ; C1.1 118.05,99.85 ; C1.1 119.12,99.84 v1(119.13,99.85) ; U6.16 109.83,88.14 C5.1 v1(106.88,87.14) ; C2.1 115.23,98.69 115.23,97.48 U6.32 ; Q3.2 128.29,73.34 C11.1 ; v1(121.3,78.43) 121.3,78.46 C6.1 119.81,82.28 U6.64 ; C7.1 124.5,92.2 U6.48 ; 131.85,39.35 R10.2 131.84,39.31 130.06,39.31 ; U6.29 113.73,96.86 113.73,98.86 C3.1
  Bottom w0.55: U4.7 134.97,79.48 136.24,80.75 U4.3 ; 131.7,85.2 U2.8
  Bottom w0.65: C11.1 U4.7
/VBUS_BLOCKED: length 26.8
  Top w0.55: v1(125.8,111.3) 126.9,112.4 v1(128,112.4)
  Bottom w0.55: 139.2,111.4 136.7,108.9 133.99,108.9 R9.1 132.19,109.3 129.2,109.3 128.75,109.75 128.75,111.65 v1(128,112.4) ; 139.2,111.4 Q2.3 ; 139.2,111.4 138.3,112.3 138.3,116.81 138.73,117.24 U3.3 ; v1(125.8,111.3) 125.77,111.27 U1.5
/VBUS_FERRITE: length 4.5
  Bottom w0.55: FB1.1 128.24,115.07 F1.2
/VBUS_FUSED: length 6.5
  Bottom w0.55: Q1.3 129.7,113.56 F1.1 D122.1
GND: length 50.1
  Bottom w0.3: v1(117.53,85.27) U6.63 121.54,81.27 C6.2 ; C4.2 111.84,101.56 111.13,100.85 111.13,98.95 v1(112.13,97.95) 112.13,97.04 U6.27 115.12,94.05 115.73,94.05 v1(116.13,94.45) 116.53,94.85 116.53,95.46 U6.31 ; v1(108.23,86.65) 109.05,86.65 U6.15
  Bottom w0.4: 138.74,105.9 v1(138.75,105.91) 137.26,105.91 U7.2 ; U1.2 v1(125.77,106.3) ; v1(119.53,100.95) 118.63,100.95 118.04,101.54 C1.2 C4.2
  Bottom w0.55: v1(122.43,119.2) 122.46,119.22 J1.A1 ; v1(121.81,119.92) 122.46,120.58 J1.A1 ; v1(129.98,120.9) 129.58,120.9 128.91,121.57 J1.B1 ; J1.A1 122.46,121.27 121.85,120.66 v1(121.22,120.66) ; J1.B1 128.91,120.88 v1(129.58,120.2) ; J1.B1 v1(128.91,119.72)
  Bottom w0.65: v1(118.04,103.91) C1.2
  vias: v1(26.94,23.8) v1(40.74,28.7) v1(40.8,119.5) v1(42.79,24.95) v1(59,119.33) v1(77.64,22.95) v1(78.1,119.33) v1(96.81,119.33) v1(97.8,85.3) v1(97.8,46.8) v1(109.08,91.15) v1(117.13,92.65) v1(117.33,98.25) v1(127.7,105.3) v1(149.41,113.1) v1(152.21,46.9) v1(152.41,89.1) v1(163.81,119.3) v1(199.46,21.9) v1(237.81,22.7) v1(276.76,22.55) v1(309.11,22.95) v1(345.76,22.95) v1(394.61,21.1) v1(439.91,101.9) v1(440.11,71.1) v1(440.21,88.5) v1(440.71,51.5) v1(449.11,21.5)
